# KiCad board MyKeyboard.kicad_pcb (continued)
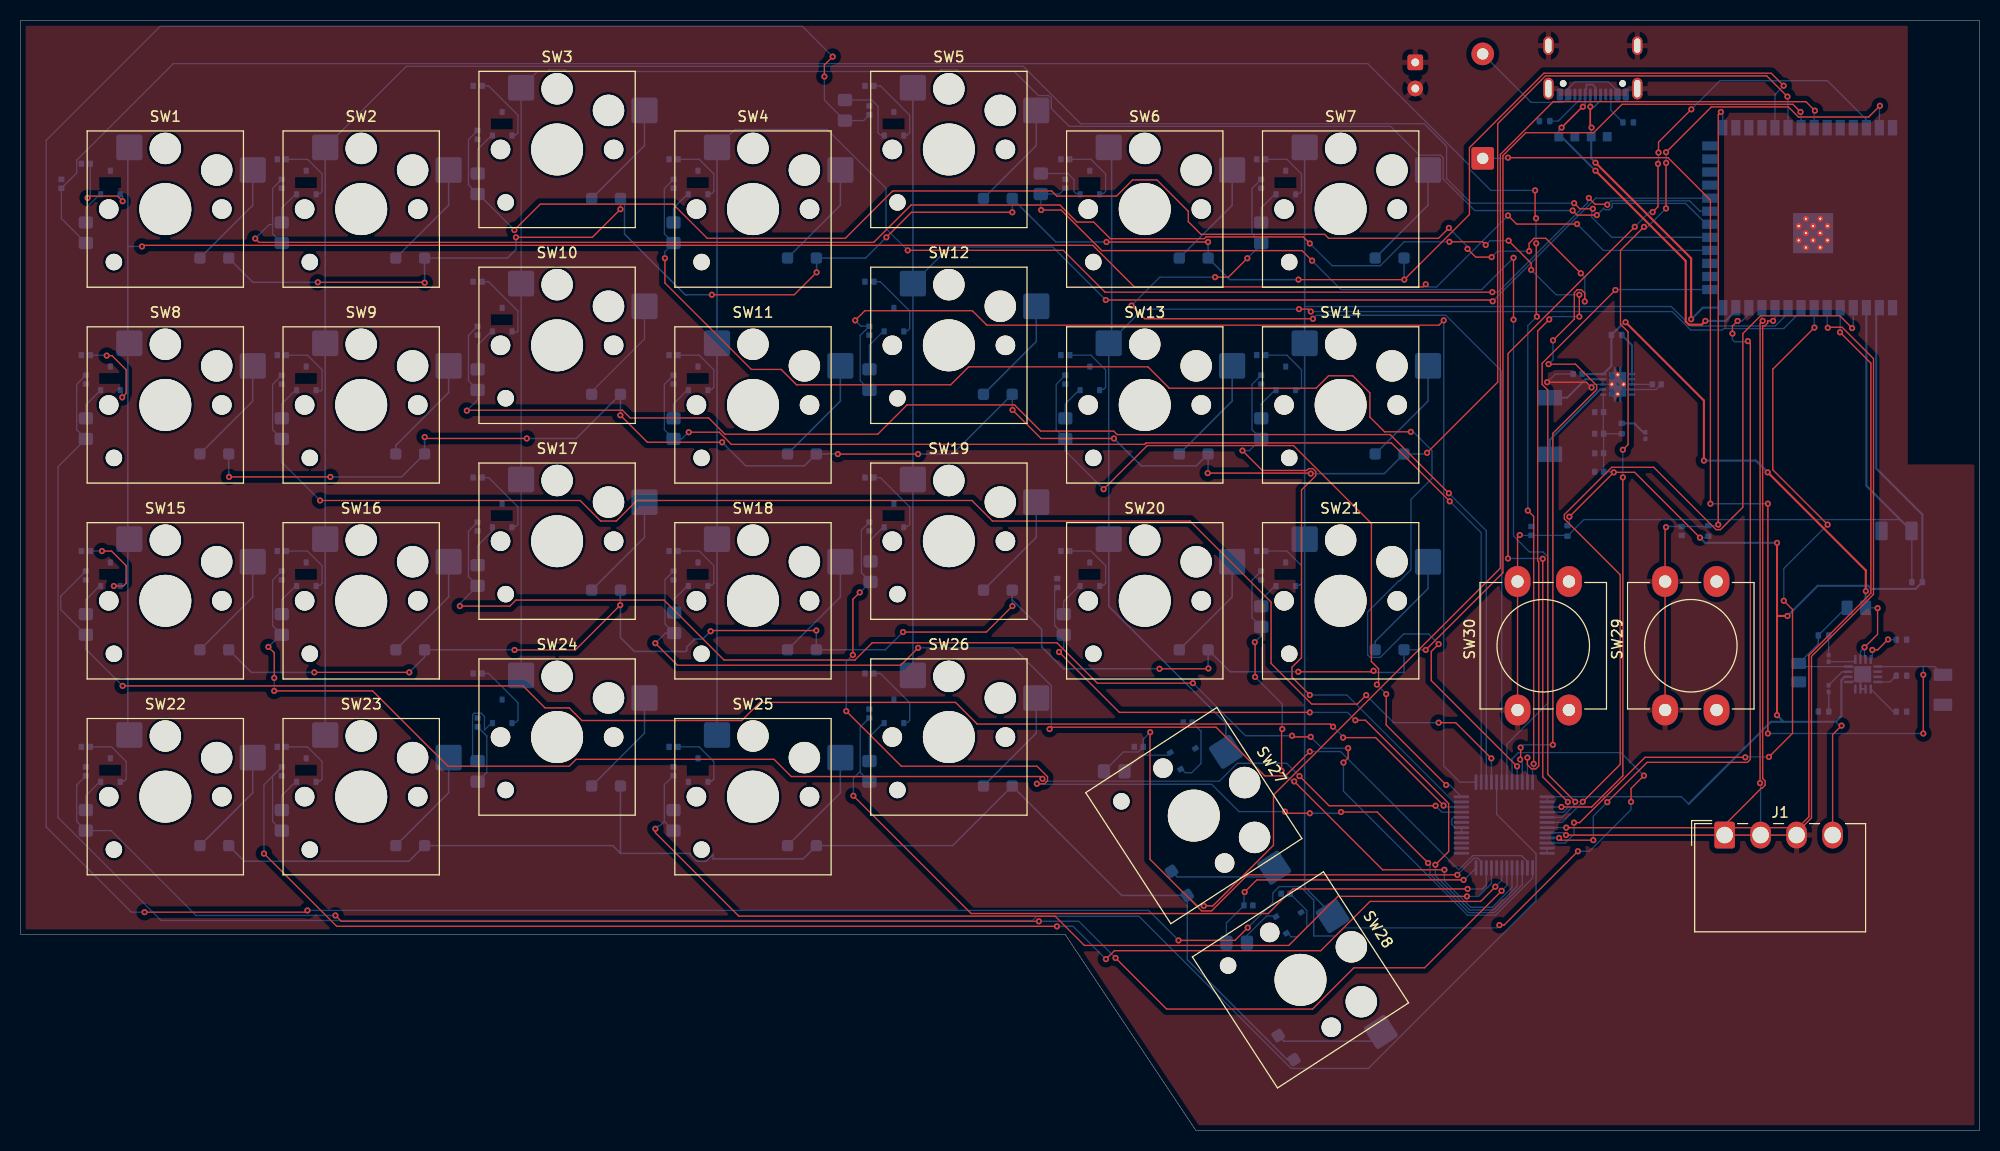
[diagram p0: board, top side]
## Nets (continued)
D +: C70.2 J2.A6 J2.B6 U2.14
D -: C69.2 J2.A7 J2.B7 U2.13
EN: U2.7 U4.22
GPIO0: C50.1 R4.2 SW29.2 U2.27
S1: C8.1 R13.2 U4.12
S2: C9.1 R14.2 U4.11
S3: C10.1 R15.2 U4.10
S4: C11.1 R16.2 U4.9
S5: C12.1 R17.2 U4.8
S6: C13.1 R18.2 U4.7
S7: C14.1 R19.2 U4.6
S8: C28.1 R20.2 U4.5
S9: C29.1 R21.2 U4.4
S10: C30.1 R22.2 U4.3
S11: C31.1 R23.2 U4.2
S12: C32.1 R24.2 U4.1
S13: C33.1 R25.2 U4.48
S14: C34.1 R26.2 U4.47
S15: C42.1 R27.2 U4.46
S16: C43.1 R28.2 U4.45
S17: C44.1 R29.2 U4.25
S18: C45.1 R30.2 U4.26
S19: C46.1 R31.2 U4.27
S20: C47.1 R32.2 U4.28
S21: C48.1 R33.2 U4.29
S22: C59.1 R34.2 U4.30
S23: C60.1 R35.2 U4.31
S24: C61.1 R36.2 U4.32
S25: C62.1 R37.2 U4.33
S26: C63.1 R38.2 U4.34
S27: C64.1 R39.2 U4.35
S28: C65.1 R40.2 U4.36
SCL: J1.2 U2.11
SDA: J1.1 U2.10
VOUT 3V3: C1.1 C2.1 C3.1 C4.1 C5.1 C6.1 C7.1 C16.1 C17.1 C18.1 C19.1 C21.1 C22.1 C23.1 C24.1 C25.1 C26.1 C27.1 C35.1 C36.1 C37.1 C38.1 C39.1 C40.1 C41.1 C52.1 C53.1 C54.1 C55.1 C56.1 C57.1 C58.1 J1.4 R1.1 R3.1 R4.1 R5.1 T1.1 T2.1 T3.1 T4.1 T5.1 T6.1 T7.1 T8.1 T9.1 T10.1 T11.1 T12.1 T13.1 T14.1 T15.1 T16.1 T17.1 T18.1 T19.1 T20.1 T21.1 T22.1 T23.1 T24.1 T25.1 T26.1 T27.1 T28.1 U1.1 U2.2 U3.6 U4.13 U4.14
WR: U2.12 U4.21
Net-(D1-A): D1.2 SW1.2
Net-(D2-A): D2.2 SW2.2
Net-(D3-A): D3.2 SW3.2
Net-(D4-A): D4.2 SW4.2
Net-(D5-A): D5.2 SW5.2
Net-(D6-A): D6.2 SW6.2
Net-(D7-A): D7.2 SW7.2
Net-(D8-A): D8.2 R1.2
Net-(D9-A): D9.2 SW8.2
Net-(D10-A): D10.2 SW9.2
Net-(D11-A): D11.2 SW10.2
Net-(D12-A): D12.2 SW11.2
Net-(D13-A): D13.2 SW12.2
Net-(D14-A): D14.2 SW13.2
Net-(D15-A): D15.2 SW14.2
Net-(D16-A): D16.2 SW15.2
Net-(D17-A): D17.2 SW16.2
Net-(D18-A): D18.2 SW17.2
Net-(D19-A): D19.2 SW18.2
Net-(D20-A): D20.2 SW19.2
Net-(D21-A): D21.2 SW20.2
Net-(D22-A): D22.2 SW21.2
Net-(D23-A): D23.2 SW22.2
Net-(D24-A): D24.2 SW23.2
Net-(D25-A): D25.2 SW24.2
Net-(D26-A): D26.2 SW25.2
Net-(D27-A): D27.2 SW26.2
Net-(D28-A): D28.2 SW27.2
Net-(D29-A): D29.2 SW28.2
Net-(D30-A): D30.2 R8.1
Net-(D30-K): D30.1 U3.7
Net-(D31-A): D31.2 R10.1
Net-(D31-K): D31.1 U3.9
Net-(D32-A): D32.2 J2.A4 J2.A9 J2.B4 J2.B9
Net-(J2-CC1): J2.A5 R11.1
Net-(J2-CC2): J2.B5 R12.1
Net-(T1-VOUT): R13.1 T1.2
Net-(T2-VOUT): R14.1 T2.2
Net-(T3-VOUT): R15.1 T3.2
Net-(T4-VOUT): R16.1 T4.2
Net-(T5-VOUT): R17.1 T5.2
Net-(T6-VOUT): R18.1 T6.2
Net-(T7-VOUT): R19.1 T7.2
Net-(T8-VOUT): R20.1 T8.2
Net-(T9-VOUT): R21.1 T9.2
Net-(T10-VOUT): R22.1 T10.2
Net-(T11-VOUT): R23.1 T11.2
Net-(T12-VOUT): R24.1 T12.2
Net-(T13-VOUT): R25.1 T13.2
Net-(T14-VOUT): R26.1 T14.2
Net-(T15-VOUT): R27.1 T15.2
Net-(T16-VOUT): R28.1 T16.2
Net-(T17-VOUT): R29.1 T17.2
Net-(T18-VOUT): R30.1 T18.2
Net-(T19-VOUT): R31.1 T19.2
Net-(T20-VOUT): R32.1 T20.2
Net-(T21-VOUT): R33.1 T21.2
Net-(T22-VOUT): R34.1 T22.2
Net-(T23-VOUT): R35.1 T23.2
Net-(T24-VOUT): R36.1 T24.2
Net-(T25-VOUT): R37.1 T25.2
Net-(T26-VOUT): R38.1 T26.2
Net-(T27-VOUT): R39.1 T27.2
Net-(T28-VOUT): R40.1 T28.2
Net-(U1-EN): C20.1 R2.2 U1.6 U1.7 U1.8
Net-(U1-L1): L1.2 U1.4
Net-(U1-L2): L1.1 U1.2
Net-(U3-ILIM): R7.2 U3.12
Net-(U3-ISET): R9.2 U3.16
Net-(U3-TS): R6.1 U3.1

Pads without a net: J2 A8 B8; U1 10; U2 16 23 24 25 26 28 29 30 35 36 37; U3 4 14 15; U4 37 38 39 40 41 42 44

## Via types
v1: diameter 0.6, hole 0.3, Front to Back, 259 vias

## Routing (per net, layer and track width the routed paths; a pad name or vN(x,y) marks a point on that pad's centre or on a via; arc(x,y) is an arc through that point)
GND: length 33
  Front w0.127: v1(152.78,72.26) 152.27,72.77 v1(148.46,72.77)
  Back w0.127: U4.23 U4.24 ; U3.5 178.18,43.62 178.37,43.81 178.37,44.93 178.18,45.12 U3.8 173.24,45.12 C68.2 174.83,47.33 R10.2 177.51,50.83 C67.1 ; v1(148.46,72.77) 149.26,73.57 C15.2 ; v1(152.78,72.26) 152.78,72.39 152.65,72.52 152.7,72.57 U1.3 U1.11 155.82,72.07 U1.9 159.05,72.07 C20.2
  Back w0.2: U3.2 U3.3 178.93,44.12 U3.17 ; 179.28,44.28 179.26,44.26 179.08,44.26 179.08,44.09 178.98,43.99
VBUS: length 109.6
  Front w0.127: v1(144.65,94.61) 160.21,94.61 164.34,90.49 v1(164.34,60.96) ; v1(169.93,60.96) v1(169.93,38.61) ; v1(185.04,38.61) v1(185.04,44.32)
  Back w0.127: v1(164.34,60.96) v1(169.93,60.96) ; 185.04,45.12 U3.13 ; 185.04,45.12 186.15,45.12 C66.2 ; 185.04,45.12 v1(185.04,44.32) ; v1(169.93,38.61) v1(185.04,38.61) ; v1(144.65,94.61) 144.58,94.55 D32.1
VIN 4V4: length 56.8
  Front w0.127: v1(180.59,50.8) 180.59,48.26 v1(179.32,46.99)
  Front w0.2: v1(156.08,78.61) 163.7,70.99 v1(163.7,65.15) ; v1(169.91,64.01) 179.45,54.47 v1(179.45,52.45)
  Back w0.127: U3.10 178.93,46.59 v1(179.32,46.99) 179.32,45.91 U3.11 ; v1(180.59,50.8) 180.56,50.83 C67.2
  Back w0.2: C67.2 179.43,52.43 v1(179.45,52.45) 179.58,52.58 ; v1(156.08,78.61) 155.95,78.61 R2.1 154.71,74.36 U1.5 C15.1 ; v1(169.91,64.01) 168.77,65.15 v1(163.7,65.15)
(no net): length 3.1
  Back w0.127: 140.12,30.46 139.38,30.46 139.19,30.26 139.19,29.78 139.51,29.46 140.12,29.46 140.12,28.96
47kOW0: length 192.9
  Front w0.127: v1(171.46,101.61) 170.25,102.83 148.14,102.83 140.9,95.59 140.9,89.09 v1(134.57,82.75) v1(124.28,82.75) ; v1(39.3,82.45) 39.26,82.49 v1(28.91,82.49) ; v1(96.45,89.3) 86.64,89.3 v1(84.2,86.87) ; v1(67.23,81.28) 75.23,81.28 v1(77.42,83.46) ; v1(105.6,86.41) v1(115.49,86.41) ; v1(48.18,86.87) 55.6,86.87 v1(58.34,89.6)
  Back w0.127: v1(171.46,101.61) 170.61,100.76 U2.31
  Back w0.15: v1(58.34,89.6) 58.34,90.65 D3.1 58.74,90.25 58.74,87.18 64.65,81.27 64.78,81.27 64.79,81.28 v1(67.23,81.28) ; v1(105.6,86.41) 100.68,86.41 D5.1 96.45,90.64 v1(96.45,89.3) ; v1(77.42,83.46) 77.42,84.82 D4.1 82.18,84.85 v1(84.2,86.87) ; v1(48.18,86.87) 48.18,85.68 47.34,84.85 D2.1 39.29,82.46 v1(39.3,82.45) ; v1(28.91,82.49) 22.6,82.49 D1.1 ; v1(115.49,86.41) 115.49,86.04 115.49,86.04 D6.1 117.59,82.75 v1(124.28,82.75) ; v1(134.57,82.75) 134.54,82.78 D7.1
47kOW1: length 206
  Front w0.127: v1(96.47,70.07) 99.24,67.3 v1(106.33,67.3) ; v1(115.45,63.93) 125.42,63.93 v1(125.47,63.88) ; v1(87.28,65.78) v1(79.48,65.78) ; v1(58.33,69.56) 60.96,66.93 v1(68.23,66.93) ; v1(49.23,67.3) 39.44,67.3 v1(39.3,67.44) ; v1(171.83,100.55) 169.81,102.57 148.3,102.57 143.65,97.92 143.65,72.79 v1(136.78,65.91) ; v1(20.28,63.56) v1(30.13,63.56)
  Back w0.127: U2.32 171.88,100.5 v1(171.83,100.55) ; D15.1 136.67,65.8 v1(136.78,65.91)
  Back w0.15: v1(87.28,65.78) 90.62,65.78 D13.1 96.44,70.1 v1(96.47,70.07) ; v1(39.3,67.44) 39.29,67.43 D10.1 37.05,63.56 v1(30.13,63.56) ; v1(68.23,66.93) 70.52,64.64 76.23,64.64 D12.1 79.46,65.8 v1(79.48,65.78) ; v1(125.47,63.88) 132.62,63.88 D15.1 ; v1(106.33,67.3) 108.99,64.64 114.33,64.64 D14.1 115.49,63.97 v1(115.45,63.93) ; D9.1 20.24,63.92 20.28,63.88 v1(20.28,63.56) ; v1(49.23,67.3) 54.04,67.3 D11.1 58.34,69.57 v1(58.33,69.56)
47kOW2: length 227.2
  Front w0.127: v1(67.11,48.55) 67.18,48.62 v1(77.39,48.62) ; v1(124.26,44.61) 131.48,44.61 v1(131.57,44.7) ; v1(96.46,51) 93.93,48.47 v1(85.82,48.47) ; v1(136.65,46.74) 144.16,54.25 144.16,94.82 146.39,97.04 152.98,97.04 155.75,99.81 172.35,99.81 v1(173.1,99.06) ; v1(58.32,51.09) 53.96,46.73 v1(48.04,46.73) ; v1(115.52,44.93) 115.49,44.9 v1(110.76,44.9) ; v1(28.57,44.55) v1(37.8,44.55)
  Back w0.127: U2.33 173.15,99.01 v1(173.1,99.06) ; v1(131.57,44.7) 131.73,44.54 134.55,44.54 ; D22.1 136.64,46.75 v1(136.65,46.74)
  Back w0.15: D22.1 134.54,44.55 134.55,44.54 ; v1(48.04,46.73) 48.02,46.75 D17.1 39.29,46.04 v1(37.8,44.55) ; D16.1 22.44,44.55 v1(28.57,44.55) ; v1(58.32,51.09) 58.32,52.53 D18.1 58.34,47.94 59.69,46.59 64.12,46.59 64.13,46.58 64.68,46.58 64.79,46.69 64.79,47.02 65.56,47.79 66.34,47.79 v1(67.11,48.55) ; v1(115.52,44.93) 115.49,44.96 D21.1 117.63,44.61 v1(124.26,44.61) ; v1(85.82,48.47) 84.09,46.75 D19.1 77.39,48.62 v1(77.39,48.62) ; v1(110.76,44.9) 104.09,44.9 104.09,44.9 101.43,44.9 99.3,47.03 99.3,48.74 96.44,51.6 D20.1 96.44,51.02 v1(96.46,51)
47kOW3: length 252.8
  Front w0.127: v1(115.06,21.84) 115.95,21.84 121.85,27.74 121.85,32.63 143.91,54.69 143.91,94.92 149.04,100.06 173.62,100.06 v1(174.5,99.19)
  Back w0.127: v1(115.06,21.84) 114.48,21.84 D28.1 ; U2.34 174.42,99.11 v1(174.5,99.19)
  Back w0.15: D25.1 58.34,26.95 ; 58.34,26.95 57.59,27.7 D24.1 37.78,26.19 21.75,26.19 D23.1 ; 58.34,26.95 65.1,26.95 65.1,26.85 65.76,26.19 66.69,26.19 67.35,26.85 67.35,26.42 76.11,26.42 D26.1 90.64,27.7 D27.1 107.08,22.86 D28.1 113.46,16.61 123.19,6.88 D29.1
A0: length 97.5
  Front w0.127: v1(155.82,63.52) 155.82,34.49 152.79,31.46 v1(149.85,31.46) ; v1(157.88,87.88) 155.59,85.59 155.59,78.41 156.33,77.67 156.33,66.71 v1(155.82,66.2) ; v1(160.03,94.1) 160.02,94.09 v1(160.02,89.68) ; v1(160.02,95.14) 164.43,99.55 171.91,99.55 172.9,98.57 179.73,98.57 v1(180.82,99.66)
  Back w0.127: v1(157.88,87.88) 158.22,87.88 v1(160.02,89.68) ; v1(155.82,63.52) v1(155.82,66.2) ; v1(149.85,31.46) 149.85,31.46 U4.15 ; v1(160.02,95.14) 160.03,95.13 v1(160.03,94.1) ; U2.39 180.77,99.61 v1(180.82,99.66)
A1: length 102.6
  Front w0.127: v1(162.48,99.32) 159.29,96.13 v1(159.29,95.11) ; v1(159.24,94.02) 159.24,89.84 v1(158.72,89.32) ; v1(148.03,55.6) 148.03,34.39 v1(150.47,31.95) ; v1(144.65,55.63) 144.65,75.56 v1(156.98,87.89)
  Back w0.127: v1(159.24,94.02) 159.29,94.07 v1(159.29,95.11) ; v1(148.03,55.6) 148,55.63 v1(144.65,55.63) ; U2.38 179.5,98.31 175.71,102.1 165.27,102.1 v1(162.48,99.32) ; U4.16 150.04,30.96 150.47,31.38 v1(150.47,31.95) ; v1(156.98,87.89) 158.41,89.32 v1(158.72,89.32)
A2: length 66.8
  Front w0.127: v1(155.1,81.74) 147.97,74.61 147.97,72.57 148.52,72.02 148.52,34.64 v1(151.2,31.97)
  Back w0.127: U4.17 149.9,30.46 151.2,31.75 v1(151.2,31.97) ; U2.15 155.15,81.79 v1(155.1,81.74)
A3: length 89.4
  Front w0.127: v1(178.12,78.04) 176.93,79.23 169.21,79.23 167.49,77.51 167.49,60.62 165.3,58.43 164.9,58.43 158.83,64.5 154.74,64.5 150.13,59.89 150.13,59.49 155.56,54.05 155.56,35.61 v1(151.92,31.97)
  Back w0.127: v1(178.12,78.04) 178.23,78.15 U2.4 ; v1(151.92,31.97) 149.91,29.96 U4.18
A4: length 79.2
  Front w0.127: v1(150.32,29.45) 172.85,29.45 173.91,30.51 173.91,46.22 179.94,52.25 179.94,74.63 v1(176.94,77.63)
  Back w0.127: v1(150.32,29.45) 150.31,29.46 U4.19 ; v1(176.94,77.63) 176.96,77.65 U2.5
CHIP_PU: length 84.9
  Front w0.127: 145.58,40.89 145.58,57.7 v1(145.8,57.91)
  Back w0.127: R3.2 183.93,58.28 C49.1 182.79,59.41 152.04,59.41 R5.2 150.35,57.88 C51.1 145.83,57.88 v1(145.8,57.91)
  Back w0.2: C49.1 179.5,62.7 U2.3
COL0: length 217.3
  Front w0.127: v1(151.37,88.16) 145.48,88.16 v1(144.65,88.98) ; v1(136.65,82.3) 136.4,82.04 108.32,82.04 104.28,86.09 11.92,86.09 v1(11.81,85.98)
  Back w0.127: v1(151.37,88.16) 153.92,85.6 U2.18 ; v1(144.65,88.98) 137.71,82.04 136.91,82.04 v1(136.65,82.3) ; v1(11.81,85.98) 10.43,85.98
  Back w0.15: SW22.1 10.43,38.61 10.43,95.31 10.58,95.46 SW1.1
COL1: length 204.4
  Front w0.127: v1(151.09,90.19) 151.63,89.64 v1(152.9,89.64)
  Back w0.127: v1(151.09,90.19) 141.08,90.19 138.68,92.58 138.68,95.72 136.49,97.92 103.09,97.92 97.5,103.5 37.52,103.5 SW2.1 ; U2.19 154.75,86.87 152.8,88.82 152.8,89.54 v1(152.9,89.64)
  Back w0.15: SW2.1 SW23.1
COL2: length 182.9
  Front w0.127: v1(153.29,89.03) 151.38,89.03 v1(150.94,89.47)
  Back w0.127: v1(150.94,89.47) 141.41,89.47 138.34,92.54 138.34,94.6 138.09,94.85 136.03,94.85 133.22,97.66 101.98,97.66 100.24,99.4 100.24,100.4 99.99,100.65 98.99,100.65 96.65,103 91.19,103 91.04,103.15 89.52,103.15 89.36,103 53.09,103 52.94,103.15 51.42,103.15 51.26,103 50.26,103 SW3.1 SW24.1 ; v1(153.29,89.03) 153.96,89.7 154.1,89.55 154.51,89.55 154.8,89.84 154.8,90.17 161.93,90.17 163.96,88.14 U2.20
COL3: length 168.1
  Front w0.127: v1(86.28,85.6) 101.41,85.6 105.47,81.53 v1(143.13,81.53) ; v1(154.31,90.04) 154.27,90.08 153.12,90.08 v1(152.51,90.69)
  Back w0.127: SW4.1 69.47,97.35 78.44,97.35 84.16,91.63 84.16,87.71 v1(86.28,85.6) ; v1(154.31,90.04) 154.69,90.42 162.31,90.42 163.32,89.41 U2.21 ; v1(143.13,81.53) 143.69,81.53 152.4,90.24 152.4,90.58 v1(152.51,90.69)
  Back w0.15: SW4.1 SW25.1
COL4: length 142.5
  Front w0.127: v1(143.16,80.64) 143.03,80.77 v1(105.54,80.77)
  Back w0.127: v1(105.54,80.77) 100.39,85.92 90.34,85.92 SW12.1 ; U2.22 153.19,90.68 v1(143.16,80.64)
  Back w0.15: SW5.1 SW26.1
COL5: length 134.4
  Front w0.127: v1(125.48,79.65) 125.24,79.88 v1(124.33,79.88)
  Back w0.127: SW13.1 109.15,79.88 v1(124.33,79.88) ; v1(125.48,79.65) 160.64,79.65 162.43,77.85 165.48,77.85 165.62,77.99 171.47,77.99 173.15,79.68 U2.8
  Back w0.15: SW6.1 106.11,95.33 106.11,76.84 SW13.1 SW20.1 105.83,50.98 117.22,39.58 SW27.1
COL6: length 124.7
  Back w0.127: U2.9 171.88,79.49 170.64,78.25 162.42,78.25 160.53,80.14 124.88,80.14
  Back w0.15: SW28.1 127.6,20.94 124.88,23.66 SW7.1
CS: length 81.4
  Front w0.127: v1(175.75,78.07) 175.8,78.12 177.15,78.12 180.2,75.07 180.2,52.14 174.17,46.11 174.17,30.4 172.49,28.72 v1(150.29,28.72)
  Back w0.127: U2.6 175.69,78.13 v1(175.75,78.07) ; v1(150.29,28.72) 150.06,28.96 U4.20
D +: length 31.3
  Front w0.152: v1(152.78,97.54) 152.65,97.66 152.65,99.56 v1(152.66,99.57)
  Front w0.2: v1(162.46,78.9) 162.46,84.82 v1(153.16,94.12)
  Back w0.152: J2.B6 153.66,100.18 153.04,99.57 v1(152.66,99.57) 152.66,100.75 J2.A6 ; v1(152.78,97.54) 152.75,97.5 C70.2
  Back w0.2: v1(153.16,94.12) 152.75,94.54 C70.2 ; U2.14 163.59,80.02 v1(162.46,78.9)
D -: length 37
  Front w0.152: v1(151.93,99.57) 151.89,99.57 v1(149.86,97.54)
  Front w0.2: v1(163.85,78.74) 163.48,78.37 162.24,78.37 161.93,78.68 161.93,84.57 v1(153.16,93.34)
  Back w0.152: v1(151.93,99.57) 152.16,99.79 J2.B7 152.16,101.23 152.27,101.34 152.27,101.73 152.9,101.73 153.16,101.47 J2.A7 ; C69.2 149.59,97.26 v1(149.86,97.54)
  Back w0.2: C69.2 149.86,96.65 v1(153.16,93.34) ; U2.13 166.8,79.72 165.82,78.74 v1(163.85,78.74)
EN: length 76.4
  Front w0.127: v1(170.03,36.33) 172.32,38.62 172.32,50.67 v1(171.47,51.52) ; v1(167.73,36.29) 157.98,36.29 151.63,29.94 v1(151.07,29.94) ; v1(175.74,58.92) 170.4,64.26 170.4,74.04 v1(174.45,78.09)
  Back w0.127: v1(175.74,58.92) 171.47,54.65 v1(171.47,51.52) ; v1(170.03,36.33) 167.73,36.33 167.73,36.33 v1(167.73,36.29) ; U4.22 150.22,27.96 151.07,28.81 v1(151.07,29.94) ; U2.7 174.42,78.12 v1(174.45,78.09)
GPIO0: length 64.9
  Front w0.127: 159.93,40.89 159.93,58.59 v1(160.02,58.67) ; v1(165.35,99.06) 165.1,98.81 v1(165.1,58.92)
  Back w0.127: v1(160.02,58.67) 160.09,58.74 C50.1 164.05,58.74 R4.2 165,58.82 v1(165.1,58.92) ; v1(165.35,99.06) 165.53,98.88 U2.27
S1: length 219
  Front w0.127: v1(147.46,79.16) 147.4,79.22 v1(147.4,86.28) ; v1(147.29,91.43) 147.29,88.8 v1(147.38,88.71) ; v1(146.58,60.29) 147.15,59.72 v1(147.15,35.66)
  Back w0.127: v1(147.15,35.66) 147.15,35.26 147.04,35.15 U4.12 ; v1(147.29,91.43) 142.98,91.43 140.9,93.51 140.9,93.87 131.01,103.76 14.85,103.76 5.46,94.37 5.46,93.13 C8.1 3.97,88.69 R13.2 ; v1(146.58,60.29) 146.58,78.28 v1(147.46,79.16) ; v1(147.4,86.28) 147.38,86.3 v1(147.38,88.71)
S2: length 199.6
  Front w0.127: v1(22.82,86.75) 23.19,86.38 82.97,86.38 86.6,90.01 101.08,90.01 102.74,88.35 104.36,88.35 105.98,86.74 115.12,86.74 115.28,86.9 124.75,86.9 v1(125.38,86.27) ; v1(138.95,86.43) 142.18,86.43 v1(142.49,86.12) ; v1(151.59,79.16) v1(151.59,81.28) ; v1(148.66,78.88) 147.54,77.75 147.54,55.4 147.64,55.29 147.64,35.46 147.35,35.17 146.95,35.17 146.54,35.57 v1(146.54,36.26) ; v1(146.91,83.7) 146.91,84.34 v1(144.71,86.54)
  Back w0.127: 24.51,88.11 24.18,88.11 v1(22.82,86.75) ; 24.51,88.11 24.51,91.62 C9.1 ; 24.51,88.11 24.51,87.2 R14.2 ; v1(125.38,86.27) 127.54,84.11 132.23,84.11 134.55,86.43 v1(138.95,86.43) ; v1(146.91,83.7) 149.33,81.28 v1(151.59,81.28) ; v1(151.59,79.16) 148.94,79.16 v1(148.66,78.88) ; v1(146.54,36.26) 146.54,36.26 U4.11 ; v1(144.71,86.54) 142.9,86.54 v1(142.49,86.12)
S3: length 190.1
  Front w0.127: v1(148.6,74.53) 151.21,74.53 153.27,72.47 153.27,72.06 149.01,67.8 v1(149.01,37.51) ; v1(145.88,37.24) 145.88,36.12 v1(145.84,36.08) ; v1(140.72,85.74) 141.52,84.94 v1(143.06,84.94) ; v1(151.73,83.37) 148.33,86.77 147.2,86.77 146.71,86.29 v1(146.71,85.52) ; v1(138.9,87.78) 137.89,86.77 127.2,86.77 126.82,87.16 114.79,87.16 113.56,88.39 113.56,89.39 110.5,92.45 108.15,92.45 106.58,90.88 100.77,90.88 100.27,91.38 84.82,91.38 80.21,86.77 66.78,86.77 63.46,90.09 50.54,90.09 v1(48.02,87.58) ; v1(149.03,76.84) 151.1,78.91 151.1,81.48 151.39,81.77 151.79,81.77 152.12,81.45 v1(152.12,80.63)
  Back w0.127: v1(48.02,87.58) 44.53,91.07 R15.2 43.56,91.97 43.56,96.38 C10.1 ; v1(152.12,80.63) 152.12,82.98 v1(151.73,83.37) ; v1(143.06,84.94) 143.64,85.52 v1(146.71,85.52) ; v1(145.88,37.24) 146.15,37.51 v1(149.01,37.51) ; v1(149.03,76.84) 149.03,74.96 v1(148.6,74.53) ; v1(140.72,85.74) 140.72,85.96 v1(138.9,87.78) ; U4.10 146.04,35.87 v1(145.84,36.08)
S4: length 144.4
  Front w0.127: v1(145.53,35.42) 137.19,43.76 137.19,46.58 v1(137.91,47.3) ; v1(62.66,84.83) 62.66,82.43 71.07,74.02 73.97,74.02 75.47,72.52 90.45,72.52 92.2,74.27 109.64,74.27 111.71,72.19 125.99,72.19 127.2,73.4 129.55,73.4 131.22,71.74 131.22,69.39 132.65,67.95 v1(135.2,67.95)
  Back w0.127: U4.9 145.54,35.41 v1(145.53,35.42) ; v1(137.91,47.3) 136.92,48.29 134.51,48.29 132.23,46.01 131.25,46.01 131,46.26 131,50.42 134.05,53.47 134.14,53.47 135.22,54.55 135.22,61.37 137.27,63.42 137.27,66.12 135.44,67.95 v1(135.2,67.95) ; C11.1 62.61,91.62 62.61,87.2 R16.2 62.66,85.47 v1(62.66,84.83)
S5: length 349.8
  Front w0.127: v1(78.17,102.51) 78.17,103.63 v1(78.98,104.44) ; v1(156.62,31.97) 156.62,33.26 v1(157.87,34.51) ; v1(112.61,18.48) 118.1,18.48 v1(119.34,19.73) ; v1(27.9,21.4) 27.73,21.23 v1(12.06,21.23) ; v1(143.82,19.97) 144.27,19.97 v1(151.45,27.15)
  Back w0.127: C12.1 81.98,98.22 R17.2 78.17,100.22 v1(78.17,102.51) ; v1(78.98,104.44) 76.03,107.39 13.58,107.39 2.49,96.3 2.49,29.51 10.77,21.23 v1(12.06,21.23) ; v1(151.45,27.15) 152.56,27.15 156.62,31.21 v1(156.62,31.97) ; v1(119.34,19.73) 121.79,22.17 121.79,23.1 122.4,23.72 124.45,23.72 125.76,22.4 125.76,18.92 127.88,18.92 128.66,19.7 143.55,19.7 v1(143.82,19.97) ; v1(27.9,21.4) 109.69,21.4 v1(112.61,18.48) ; v1(157.87,34.51) 155.63,36.75 145.66,36.75 145.04,36.13 U4.8
S6: length 109.4
  Front w0.127: v1(125.6,84.6) 124.62,85.58 105.15,85.58 101.21,89.52 v1(99.26,89.52) ; v1(145.19,78.86) v1(145.19,84.88)
  Back w0.127: C13.1 101.03,91.07 R18.2 99.22,89.69 99.26,89.65 v1(99.26,89.52) ; v1(145.19,78.86) 145.19,57.82 146.75,56.26 148.07,56.26 148.52,55.8 148.52,41.54 144.54,37.57 U4.7 ; v1(145.19,84.88) 142.1,81.79 128.41,81.79 v1(125.6,84.6)
S7: length 101
  Front w0.127: v1(125.68,78.95) 109.32,78.95 v1(108.04,80.23) ; v1(119.3,84.83) 117.46,82.99 v1(116.17,82.99)
  Back w0.127: v1(125.68,78.95) 126.02,79.28 138.6,79.28 144.04,73.84 U4.6 ; v1(119.3,84.83) 120.65,86.18 R19.2 119.76,87.21 119.76,91.61 C14.1 ; v1(108.04,80.23) 110.8,82.99 v1(116.17,82.99)
S8: length 218.9
  Back w0.127: U4.5 143.54,30.76 147.37,26.93 147.37,22.33 131.07,6.03 123.56,6.03 108.76,20.83 98.83,20.83 98.41,20.42 13.66,20.42 3.65,30.44 3.65,64.56 R20.2 5.46,68.15 5.46,72.57 C28.1
S9: length 146.9
  Front w0.127: v1(137.91,39.66) 139.56,39.66 v1(143.03,36.19) ; v1(130.86,42.34) 130,41.47 125.56,41.47 121.61,45.42 121.61,51.39 113.73,59.27 94.52,59.27 92.52,61.27 59.94,61.27 57.94,59.27 56.42,59.27 54.42,61.27 v1(29.13,61.27)
  Back w0.127: v1(130.86,42.34) 133.54,39.66 v1(137.91,39.66) ; U4.4 143.04,36.18 v1(143.03,36.19) ; C29.1 24.51,72.57 24.51,68.15 R21.2 25.4,65 v1(29.13,61.27)
S10: length 140.2
  Front w0.127: v1(138.9,61.97) 133.19,67.68 106.64,67.68 106.31,68.02 99.22,68.02 96.67,70.56 86.21,70.56 83.36,67.72 68.49,67.72 66.92,69.3 59.29,69.3 58.53,70.05 43.44,70.05 v1(43.4,70.01)
  Back w0.127: v1(138.9,61.97) 142.54,58.33 U4.3 ; v1(43.4,70.01) 44.45,71.06 R22.2 43.56,72.92 43.56,77.33 C30.1
S11: length 114.2
  Front w0.127: v1(138.99,61.19) 133.31,66.87 109.46,66.87 109.32,66.73 69.13,66.73 67.95,67.91 v1(64.98,67.91)
  Back w0.127: v1(64.98,67.91) 64.95,67.91 64.3,67.26 R23.2 62.61,68.15 62.61,72.57 C31.1 ; U4.2 142.04,58.14 v1(138.99,61.19)
S12: length 114.1
  Front w0.127: v1(138.4,78.79) 137.93,78.32 93.97,78.32 92.56,79.73 82.11,79.73 v1(81.17,78.79)
  Back w0.127: R24.2 81.66,72.92 81.66,77.33 C32.1 81.74,78.22 v1(81.17,78.79) ; U4.1 139.97,33.88 138.4,35.45 v1(138.4,78.79)
S13: length 74.8
  Front w0.127: v1(132.81,42.44) 132.81,39.43 v1(138.64,33.6) ; v1(105.33,62.37) 109.57,66.61 123.79,66.61 131.37,59.04 131.37,45.6 132.06,44.91 132.06,43.54 v1(131.9,43.37)
  Back w0.127: v1(105.33,62.37) 101.6,66.1 R25.2 100.71,68.15 100.71,72.57 C33.1 ; 140.12,32.46 138.98,33.6 v1(138.64,33.6) ; v1(132.81,42.44) 131.9,43.35 v1(131.9,43.37)
S14: length 59.8
  Front w0.127: v1(118.83,66.12) 120.76,64.19 125.08,64.19 125.26,64.37 125.67,64.37 125.96,64.09 125.96,63.68 124.57,62.29 124.57,45.98 123.65,45.06 123.65,44.08 v1(125.38,42.35)
  Back w0.127: C34.1 119.76,72.57 119.76,68.15 R26.2 119.51,66.12 v1(118.83,66.12) ; v1(125.38,42.35) 128.98,42.35 139.38,31.96 140.12,31.96
S15: length 151.3
  Front w0.127: v1(138.39,31.6) 131.78,38.21 v1(128.61,38.21) ; v1(9.93,43.24) 48.86,43.24 51,41.1 53.35,41.1 54.59,39.87 70.13,39.87 71.89,41.63 90.92,41.63 93.03,39.53 127.38,39.53 v1(127.64,39.27)
  Back w0.127: C42.1 3.9,51.96 3.9,50.66 R27.2 6.35,46.82 v1(9.93,43.24) ; v1(127.64,39.27) 128.61,38.3 v1(128.61,38.21) ; v1(138.39,31.6) 138.53,31.46 140.12,31.46
S16: length 135.6
  Front w0.127: v1(124.38,34.46) 127.26,31.58 v1(137.61,31.58) ; v1(24.1,47.03) 24.67,46.46 v1(24.67,44.01) ; v1(99.38,34.2) 99.16,34.42 74.95,34.42 73.28,36.09 54.03,36.09 53.35,35.42 41.57,35.42 34.24,42.75 v1(24.67,42.75)
  Back w0.127: v1(24.1,47.03) 25.28,48.21 R28.2 24.51,49.1 24.51,53.52 C43.1 ; 140.12,30.96 138.23,30.96 v1(137.61,31.58) ; v1(99.38,34.2) 99.61,33.97 116.58,33.97 118.32,35.71 123.13,35.71 v1(124.38,34.46) ; v1(24.67,42.75) v1(24.67,44.01)
S17: length 133.9
  Front w0.127: v1(114.01,43.5) 104.71,43.5 100.78,47.43 82.82,47.43 81.14,45.76 68.41,45.76 62.58,51.58 48.18,51.58 47.59,51 v1(42.72,51) ; v1(123.65,38.39) 123.76,38.28 v1(125.46,38.28) ; v1(128.65,35.78) 129.11,36.24 v1(129.11,37.18)
  Back w0.127: v1(114.01,43.5) 119.13,38.39 v1(123.65,38.39) ; v1(125.46,38.28) 126.56,37.18 v1(129.11,37.18) ; v1(42.72,51) 42.72,51.24 R29.2 43.56,53.87 43.56,58.28 C44.1 ; v1(128.65,35.78) 128.65,33 140.72,20.94 143.43,20.93 147.04,24.54 U4.25
S18: length 110.6
  Front w0.127: v1(61.73,47.39) 63.87,45.25 85.6,45.25 v1(87.29,46.94) ; v1(100.07,39.04) 100.25,39.22 116.26,39.22 120.99,34.49 123.02,34.49 v1(125.38,36.85)
  Back w0.127: v1(61.73,47.39) 62.71,48.37 R30.2 62.67,49.26 62.67,53.58 C45.1 ; v1(87.29,46.94) 96.56,46.94 100.24,43.25 100.24,39.21 v1(100.07,39.04) ; v1(125.38,36.85) 128.36,36.85 139.86,25.35 141.23,26.73 145.97,26.73 146.54,26.15 U4.26
S19: length 99.7
  Front w0.127: v1(98.83,33.72) 98.85,33.71 99.58,33.71 99.87,34 99.87,34.4 98.85,35.42 85.66,35.42 v1(80.3,40.78) ; v1(125.38,30.85) 123.13,30.85 v1(122.97,31.01) ; v1(80.94,46.25) 80.94,51.66 v1(81.61,52.33) ; v1(136.88,26.01) 131.93,30.97 v1(128.41,30.97)
  Back w0.127: v1(81.61,52.33) 81.64,52.33 R31.2 81.77,54.24 81.77,58.39 C46.1 ; v1(80.3,40.78) 80.3,45.61 v1(80.94,46.25) ; v1(136.88,26.01) 136.93,25.97 137.06,25.97 137.06,24.95 140.82,21.19 143.33,21.19 146.04,23.9 U4.27 ; v1(125.38,30.85) 128.29,30.85 v1(128.41,30.97) ; v1(122.97,31.01) 118.5,31.01 115.85,33.66 98.89,33.66 v1(98.83,33.72)
S20: length 70.6
  Front w0.127: v1(129.81,39.9) 130.79,39.9 138.88,31.8 138.88,27.13 v1(137.59,25.84) ; v1(100.99,46.53) 106.86,40.66 v1(125.38,40.66)
  Back w0.127: v1(125.38,40.66) 129.05,40.66 v1(129.81,39.9) ; C47.1 100.56,52.55 100.56,49.1 R32.2 101.45,46.99 v1(100.99,46.53) ; v1(137.59,25.84) 137.59,24.78 140.93,21.45 143.22,21.44 145.54,23.76 U4.28
S21: length 52.8
  Front w0.127: v1(120.03,47.49) 120.06,47.46 v1(120.06,44.11) ; v1(122.63,34.98) 122.63,38.97 v1(122.7,39.04) ; v1(138.47,25.35) 132.46,25.35 v1(123.86,33.95)
  Back w0.127: U4.29 145.04,23.63 143.12,21.7 141.03,21.7 138.47,24.26 v1(138.47,25.35) ; v1(122.63,34.98) 123.66,33.95 v1(123.86,33.95) ; v1(120.03,47.49) 120.65,48.11 R33.2 119.76,49.87 119.76,53.52 C48.1 ; v1(122.7,39.04) 122.7,41.47 v1(120.06,44.11)
S22: length 158.1
  Front w0.127: v1(30.62,20.91) 31.19,20.34 v1(99.03,20.34) ; v1(144.03,23.31) 136.55,15.82 129.66,15.82 125.65,11.81 111.45,11.81 v1(106.49,16.77)
  Back w0.127: v1(99.03,20.34) 102.92,20.34 v1(106.49,16.77) ; U4.30 144.54,23.82 v1(144.03,23.31) ; C59.1 5.46,33.6 5.46,30.05 R34.2 8.8,29.16 17.06,20.91 v1(30.62,20.91)
S23: length 145.1
  Front w0.127: v1(100.79,19.85) 30.75,19.85 v1(23.67,26.93) ; v1(143.42,23.7) 141.99,22.27 131.23,22.27 126.45,17.49 106.38,17.49 v1(105.55,16.66)
  Back w0.127: v1(143.42,23.7) 144.04,24.33 U4.31 ; v1(23.67,26.93) 23.67,33.63 C60.1 24.51,34.47 24.51,30.05 R35.2 ; v1(105.55,16.66) 102.36,19.85 v1(100.79,19.85)
S24: length 6.1
  Back w0.127: C61.1 45.34,38.36 45.34,34.82 R36.2
S25: length 97.5
  Front w0.127: v1(61.74,29.34) 61.74,28.95 69.85,20.84 100.61,20.84 103.45,17.99 123.33,17.99 128.1,22.77 v1(140.66,22.77)
  Back w0.127: C62.1 62.61,33.63 62.61,30.05 ; v1(140.66,22.77) 141.79,22.77 143.04,24.02 U4.33 ; 62.61,30.05 62.6,30.05 62.19,29.64 62.04,29.64 v1(61.74,29.34) ; 62.61,30.05 R37.2
S26: length 78.7
  Front w0.127: v1(140.72,23.49) 123.73,23.49 121.34,21.1 92.44,21.1 v1(80.99,32.55)
  Back w0.127: R38.2 81.66,34.82 81.66,34.92 ; 81.66,34.92 80.99,34.25 v1(80.99,32.55) ; 81.66,34.92 81.66,39.24 C63.1 ; v1(140.72,23.49) 142.16,23.49 142.54,23.88 U4.34
S27: length 56
  Front w0.127: v1(139.73,24.86) 119.33,24.86 115.82,21.35 114.86,21.35 109.84,26.37 109.84,38.71 v1(109.86,38.73)
  Back w0.127: v1(139.73,24.86) 141.34,26.47 141.72,26.47 142.04,26.15 U4.35 ; R39.2 107.25,36.81 108.68,36.81 C64.1 109.18,38.05 v1(109.86,38.73)
S28: length 29.1
  Front w0.127: v1(119.04,23.19) 120.22,24.37 v1(140.33,24.37)
  Back w0.127: v1(140.33,24.37) 140.38,24.37 U4.36 ; R40.2 117.27,20.17 C65.1 118.98,23.13 v1(119.04,23.19)
SCL: length 51.5
  Front w0.127: v1(169.16,33.78) 169.16,78.49 v1(169.42,78.74)
  Back w0.127: U2.11 169.34,78.81 v1(169.42,78.74) ; v1(169.16,33.78) 169.22,33.73 J1.2
SDA: length 53
  Front w0.127: v1(170.43,78.74) 169.91,78.74 169.91,78.54 169.62,78.25 169.42,78.25 169.42,34.22 169.66,33.99 169.66,33.58 169.37,33.29 169.29,33.29 168.47,32.47 168.47,32.45 165.72,29.7
  Back w0.127: U2.10 170.61,78.92 v1(170.43,78.74)
VOUT 3V3: length 339.1
  Front w0.127: v1(6.52,90.7) 6.7,90.88 9.43,90.88 v1(9.93,90.38) ; v1(8.38,75.36) 8.89,75.36 10.27,73.98 10.27,71.69 v1(9.88,71.3) ; v1(150.62,59.69) v1(154.94,64.01) 156.97,64.01 v1(163.32,57.66) ; v1(177.09,39.37) 176.22,38.5 J1.4 ; v1(9.07,52.95) 10,52.95 10.27,53.23 10.27,54.93 8.85,56.35 v1(7.92,56.35)
  Front w0.2: 170.81,50.04 v1(170.81,40.39) ; 170.81,50.04 v1(171.83,50.04) ; 170.81,50.04 v1(170.81,57.15)
  Back w0.127: C22.1 27.9,75.41 29.32,73.98 29.32,72.03 29.21,71.92 28.86,71.92 28.71,72.07 ; C37.1 45.51,63.5 48.37,60.64 48.37,58.94 48.17,58.74 47.76,58.74 ; 123.96,91.12 124.37,91.12 124.57,91.33 124.57,93.03 123.15,94.46 C7.1 ; 28.71,33.97 29.12,33.97 29.32,34.18 29.32,35.88 27.9,37.31 C53.1 ; C54.1 45.51,44.45 48.37,41.59 48.37,39.89 48.17,39.69 47.76,39.69 ; 9.66,53.02 9.14,53.02 v1(9.07,52.95) ; C2.1 27.91,94.46 29.32,93.05 29.32,91.33 29.12,91.12 28.71,91.12 ; C35.1 7.91,56.36 v1(7.92,56.35) ; 85.86,96.84 86.27,96.84 86.47,97.04 86.47,98.74 83.61,101.6 C5.1 ; R4.1 163.99,57.66 v1(163.32,57.66) ; 104.91,91.12 105.32,91.12 105.52,91.33 105.52,93.03 104.1,94.46 C6.1 ; 162.22,31.75 161.51,32.46 U4.13 U4.14 ; C23.1 45.51,82.55 48.37,79.69 48.37,77.74 48.27,77.64 47.91,77.64 47.76,77.79 ; 176.53,39.75 176.91,39.37 v1(177.09,39.37) ; C57.1 114.8,38.82 114.8,35.7 113.89,34.79 113.26,34.79 112.86,35.2 ; 85.86,39.69 86.27,39.69 86.47,39.89 86.47,41.59 83.61,44.45 C56.1 ; 9.65,72.16 9.66,72.15 9.66,72.07 9.69,72.04 T8.1 9.88,71.81 v1(9.88,71.3) ; 104.91,72.07 105.32,72.07 105.52,72.28 105.52,73.98 104.1,75.41 C26.1 ; 123.96,53.02 124.37,53.02 124.57,53.23 124.57,54.93 123.15,56.36 C41.1 ; C17.1 153.92,67.8 U1.1 ; C17.1 153.96,67.76 R1.1 ; C17.1 C19.1 154.88,64.07 v1(154.94,64.01) ; 28.71,53.02 29.12,53.02 29.32,53.23 29.32,54.93 27.9,56.36 C36.1 ; C21.1 8.33,75.41 v1(8.38,75.36) ; C39.1 83.61,63.5 86.47,60.64 86.47,58.94 86.27,58.74 85.86,58.74 ; 9.66,33.97 10.07,33.97 10.27,34.18 10.27,35.88 8.85,37.31 C52.1 ; v1(9.93,90.38) 9.93,90.86 9.66,91.12 ; 66.81,91.12 67.22,91.12 67.42,91.33 67.42,93.03 66,94.46 C4.1 ; C38.1 66,56.36 67.42,54.93 67.42,53.23 67.22,53.02 66.81,53.02 ; v1(150.62,59.69) 150.62,59.01 R5.1 ; 85.86,77.79 86.27,77.79 86.47,77.99 86.47,79.69 83.61,82.55 C25.1 ; C27.1 123.15,75.41 124.57,73.98 124.57,72.28 124.37,72.07 123.96,72.07 ; v1(6.52,90.7) 6.78,90.96 C1.1 ; C40.1 104.1,56.36 105.52,54.93 105.52,53.23 105.32,53.02 104.91,53.02 ; C55.1 66,37.31 67.42,35.88 67.42,34.18 67.22,33.97 66.81,33.97 ; 66.81,72.07 67.22,72.07 67.42,72.28 67.42,73.98 66,75.41 C24.1 ; 123.14,19.24 123.55,18.84 124.18,18.84 125.09,19.75 125.09,21.39 C58.1 ; 47.76,96.84 48.17,96.84 48.37,97.04 48.37,98.74 45.51,101.6 C3.1
  Back w0.2: 171.45,39.75 170.22,39.75 162.22,31.75 ; 171.45,39.75 v1(170.81,40.39) ; 171.45,39.75 176.53,39.75 177.07,40.3 177.07,43.8 177.39,44.12 U3.6 ; U2.2 180.47,79.72 180.47,64.39 184.95,59.91 R3.1 184.29,52.67 179.98,52.67 179.67,52.98 174.77,52.98 v1(171.83,50.04) ; v1(170.81,57.15) 163.83,57.15 v1(163.32,57.66)
WR: length 70.9
  Front w0.127: v1(167.98,76.77) 168.22,76.53 168.22,36.09 167.93,35.8 158.18,35.8 v1(154.31,31.93) ; v1(152.95,28.23) 149.84,28.23 v1(149.62,28.45) ; v1(166.98,78.74) 166.48,78.24 v1(166.48,77.5)
  Back w0.127: U2.12 168.07,79.4 167.41,78.74 v1(166.98,78.74) ; v1(166.48,77.5) 166.48,76.91 166.67,76.72 167.93,76.72 v1(167.98,76.77) ; U4.21 149.61,28.46 v1(149.62,28.45) ; v1(154.31,31.93) 152.95,30.57 v1(152.95,28.23)
